# KiCad board robot-hub_rev4.1.kicad_pcb (continued)
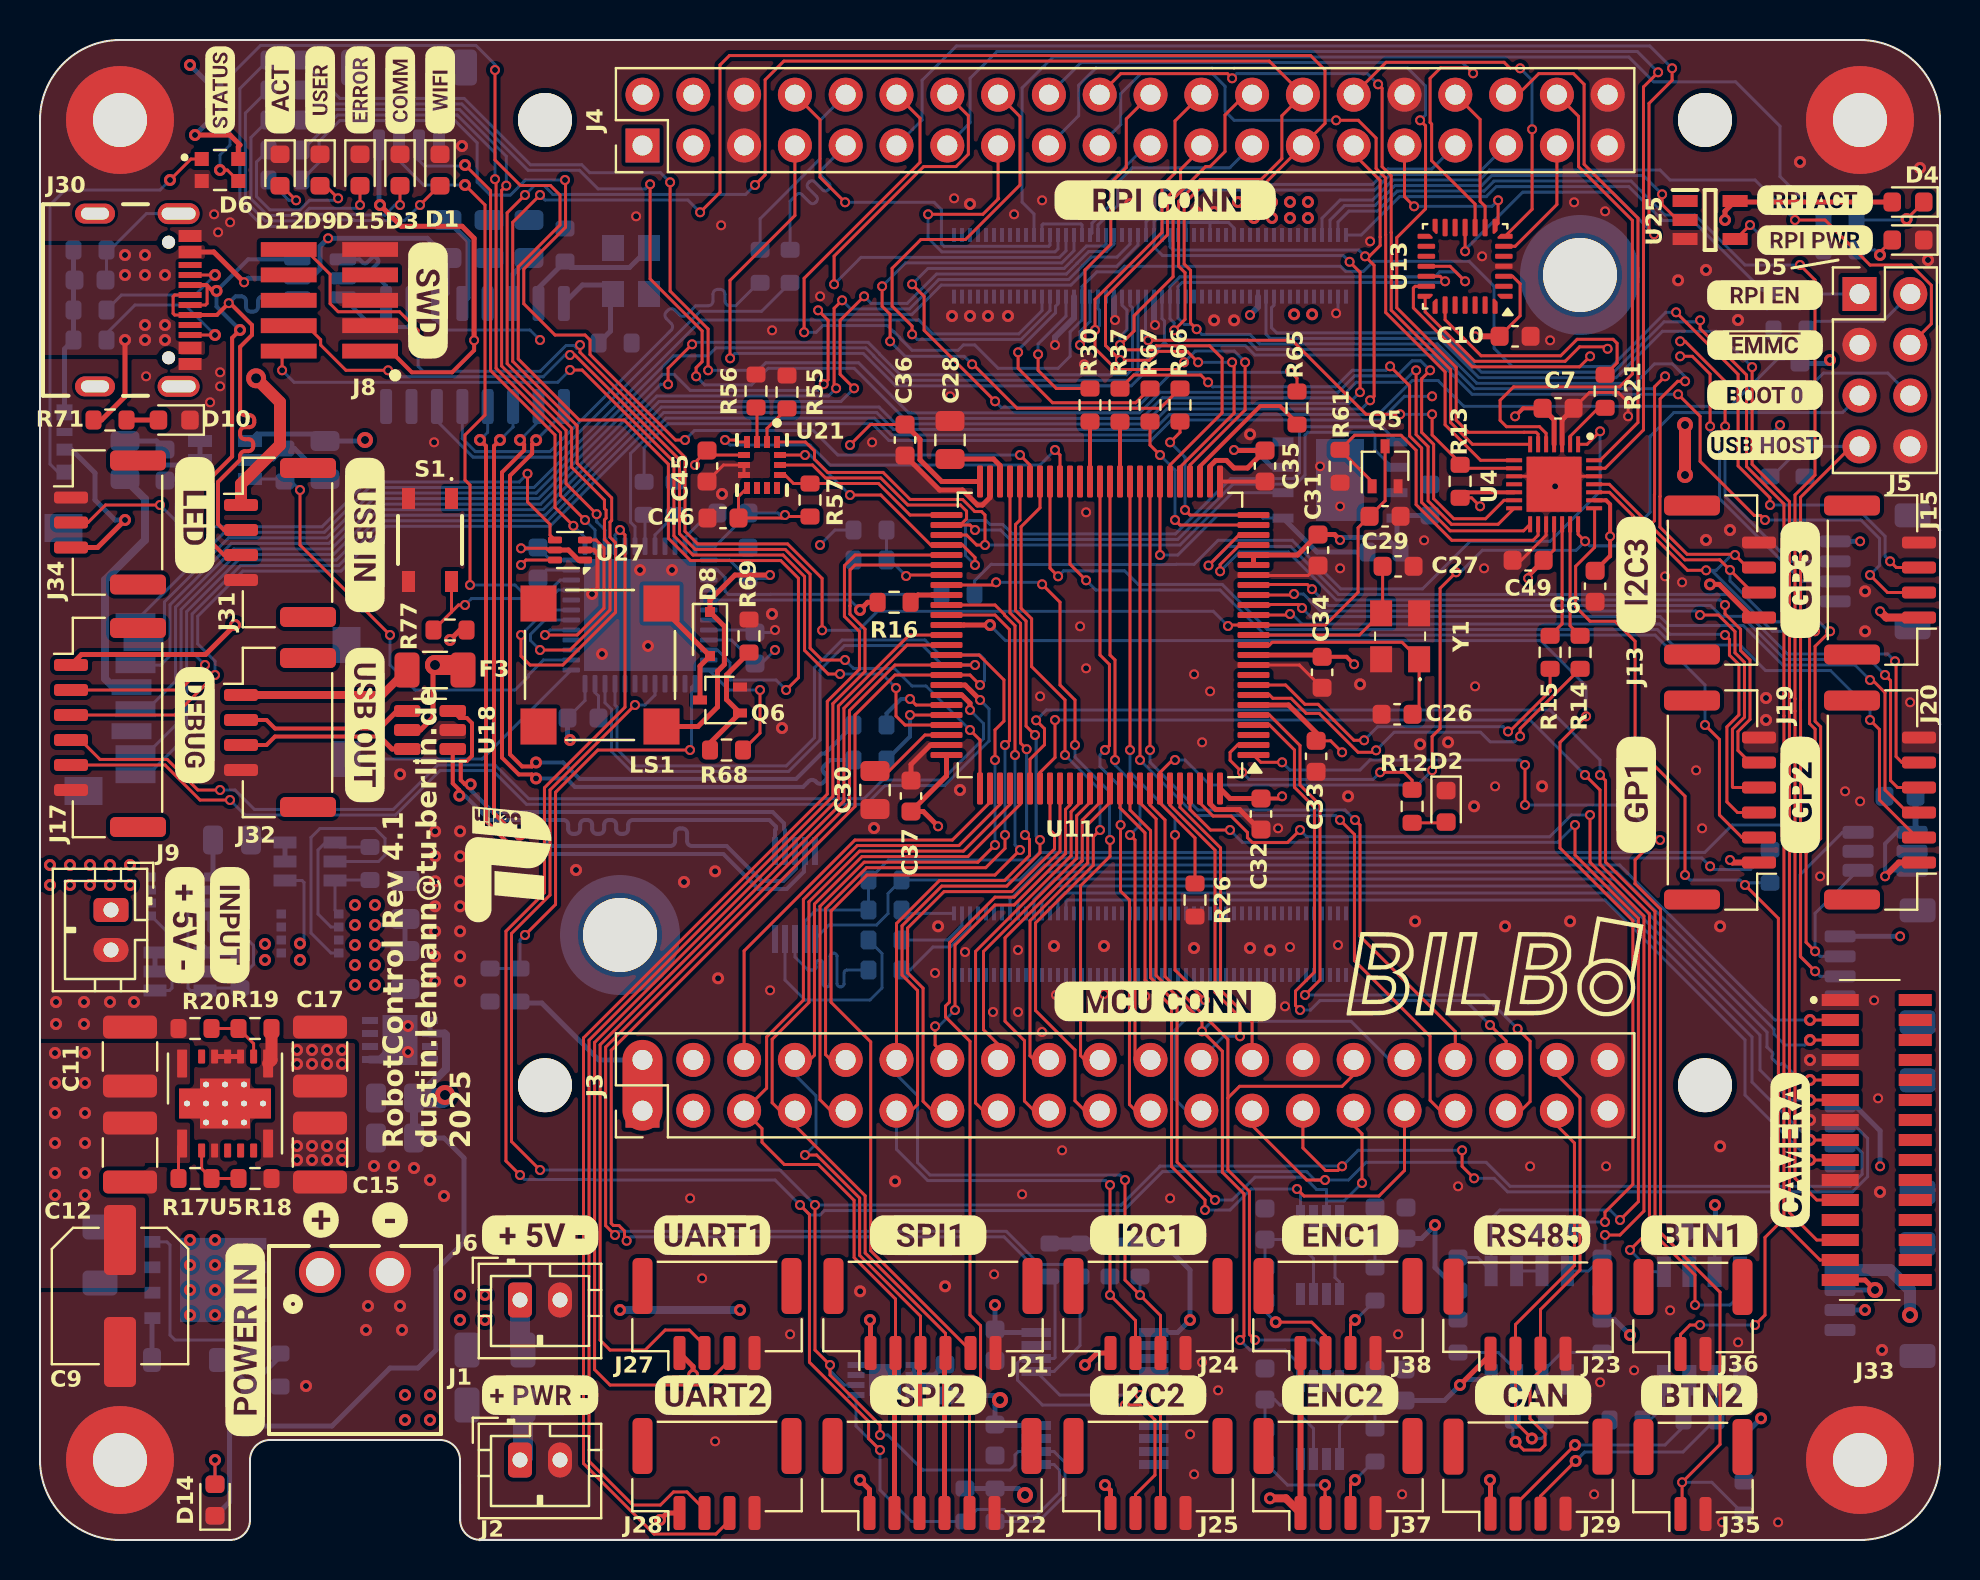
[diagram p0: board, top side]
## Routing (per net, layer and track width the routed paths; a pad name or vN(x,y) marks a point on that pad's centre or on a via; arc(x,y) is an arc through that point) (continued)
UC_I2C_INTERN_SDA: length 108.3
  Top w0.15: J25.3 56.03,6.23 v2(55,7.25) ; v2(28.75,15.25) 28.28,15.72 28.28,24.65 40.47,36.84 40.47,41.47 42.75,43.75 U11.66 v2(46.75,43.75)
  Bottom w0.15: v2(55,7.25) 50.99,7.25 U7.5 50.7,8.42 52,9.73 R31.2 51.4,13.78 49.97,13.78 48.32,15.43 28.93,15.43 v2(28.75,15.25) ; U1.22 28.25,41.86 28.58,41.53 28.58,39.42 29.57,38.43 37.43,38.43 39,40 39,43.5 40.22,44.72 44.14,44.72 45.11,43.75 v2(46.75,43.75)
UC_LED1: length 55.4
  Top w0.15: v2(26.25,68) 26.28,67.97 26.28,65.64 24.19,63.55 24.19,61.81 25.75,60.25 27.25,60.25 27.5,60 27.5,59.28 31.78,55 v2(32.25,55) ; U11.45 49.5,53.75 v2(49,54.25)
  Bottom w0.15: v2(26.25,68) 24.27,68 23.51,67.24 23.01,67.24 23,67.25 22.5,67.25 21.86,67.89 21.86,69.86 20.75,70.97 14.99,70.97 13.95,69.93 13.95,68.88 R72.1 ; v2(32.25,55) 32.72,55.48 38.67,55.48 39.89,54.25 v2(49,54.25)
UC_LED2: length 12
  Top w0.15: U11.2 59.88,39.75 59.5,39.38 59.5,38.98 v2(60.1,38.39) ; R12.1 68.6,37.98 68.2,38.39 v2(67,38.39)
  Bottom w0.15: v2(67,38.39) 66.65,38.03 60.46,38.03 v2(60.1,38.39)
UC_PWM1: length 29.5
  Top w0.15: v2(63,26.5) 62.78,26.73 62.78,27.45 63.72,28.39 63.72,36.64 62.72,37.64 62.72,39.5 61.47,40.75 U11.4 ; 73.31,23.27 73.31,24.95 v2(72.5,25.75)
  Bottom w0.15: v2(72.5,25.75) 71.28,26.97 64,26.97 63.53,26.5 v2(63,26.5)
UC_PWM2: length 33.1
  Top w0.15: 73.31,20.73 74.5,21.92 74.5,24.94 v2(73.88,25.56) ; U11.5 61.47,41.25 63,39.72 63,37.75 64,36.75 64,28 v2(63.25,27.25)
  Bottom w0.15: v2(63.25,27.25) 72.19,27.25 v2(73.88,25.56)
UC_PWM3: length 46
  Top w0.15: U11.23 59.95,50.25 v2(58.42,48.73) ; v2(92.75,43.94) 92.8,43.88 92.8,39.17 93.1,38.88 J20.5
  Bottom w0.15: v2(92.75,43.94) 92.38,44.3 87.37,44.3 84.39,47.28 64.93,47.28 62.53,49.68 59.37,49.68 v2(58.42,48.73)
UC_PWM4: length 37.4
  Top w0.15: v2(84.25,46.75) 84.25,46.31 85.03,45.54 85.03,44.47 85.5,44 85.5,41.03 84.9,40.42 84.9,39.48 85.5,38.88 ; v2(59,48.44) 59,48.77 59.98,49.75
  Bottom w0.15: v2(84.25,46.75) 84,47 64.81,47 62.41,49.4 59.97,49.4 v2(59,48.44)
UC_SCL_2: length 60.8
  Top w0.15: v2(53.5,17.75) v2(53.5,12.25) 54.78,10.98 J24.2 ; 42.82,20.73 43.88,21.78 43.88,27.48 43.1,28.25 43.1,30.71 45.09,32.7 48.34,32.7 50,34.36 v2(50,35) ; v2(49.75,40.25) 49.3,40.7 49.3,45.95 48.78,46.47 48.78,50.78 49,51 U11.46
  Bottom w0.15: v2(50,35) 49.81,35.19 49.81,40.19 v2(49.75,40.25) ; 42.82,20.73 42.82,19.53 44.39,17.97 53.28,17.97 v2(53.5,17.75) ; v2(53.5,12.25) R29.2
UC_SDA_2: length 60.7
  Top w0.15: 42.82,23.27 42.82,30.83 44.97,32.97 48.22,32.97 49.47,34.23 49.47,35.03 v2(49.25,35.25) ; J24.3 56.03,11.23 v2(55,12.25) 54.25,13 v2(54.25,18) ; v2(49.33,39.54) 49.03,39.85 49.03,45.83 48.5,46.36 U11.47
  Bottom w0.15: v2(55,12.25) R27.2 ; 42.82,23.27 43.88,22.21 43.88,18.87 44.5,18.25 54,18.25 v2(54.25,18) ; v2(49.25,35.25) 49.33,35.33 v2(49.33,39.54)
UC_SPI1_CS_EXT1: length 40.1
  Top w0.15: U11.84 51,35.5 51,35.5 51,34.44 48.71,32.14 47.75,32.14 45.47,29.86 45.47,26.89 45.28,26.7 45.28,26.16 46.5,24.93 46.5,11.25 47.03,10.72 47.03,8.03 46.47,7.48 J22.5
UC_SPI1_MISO: length 31.8
  Top w0.15: U21.1 38.27,54.9 38.72,54.45 38.72,54.04 39.39,53.38 42.15,53.38 43.51,52.03 46.13,52.03 46.74,51.42 47.08,51.42 47.25,51.25 v2(47.25,49.75) 46.83,49.75 46.33,50.25 U11.53
  Bottom w0.15: v2(47.25,49.75) 57,49.75 59.62,52.37 U10.2
UC_SPI1_MOSI: length 39.4
  Top w0.15: U11.54 46.12,49.75 46.75,49.12 v2(46.75,48.75) ; 44.63,49.75 44.54,49.75 42.04,52.25 v2(40.5,52.25) ; v2(38.25,54.25) U21.14
  Bottom w0.15: v2(38.25,54.25) 38.5,54.25 v2(40.5,52.25) ; U10.5 67.09,55.66 63.27,55.66 62.97,55.36 62.97,53.36 62.68,53.07 59.54,53.07 56.77,50.3 48.61,50.3 48.14,50.78 47.5,50.78 47.3,50.98 46.47,50.98 46.28,50.78 46.28,49.23 v2(46.75,48.75)
UC_SPI1_SCLK: length 38.2
  Top w0.15: U21.13 38.62,53.75 39.27,53.1 42.04,53.1 43.39,51.75 46.02,51.75 46.33,51.44 46.33,51.06 46.02,50.75 ; v2(46.75,50.5) 46.5,50.75 U11.52
  Bottom w0.15: v2(46.75,50.5) 48.03,50.5 48.5,50.03 56.89,50.03 59.65,52.79 62.79,52.79 63.25,53.25 63.25,55.25 63.38,55.39 66.62,55.39 66.75,55.25 66.75,54.5 67.62,53.64
UC_SPI2_CS_EXT1: length 50.8
  Top w0.15: U11.60 47.75,46.75 48.22,46.28 48.22,46.24 48.75,45.72 v2(48.75,39.25) ; v2(49,34.5) 47.75,33.25 41.35,33.25 39.55,31.45 39.55,26.89 41.54,24.9 41.54,14.46 46.53,9.48
  Bottom w0.15: v2(48.75,39.25) 48.75,34.75 v2(49,34.5)
UC_SPI2_MISO: length 47.7
  Top w0.15: J21.4 45.28,10.33 41.26,14.35 41.26,17.21 36.61,21.86 36.61,25.04 38.45,26.88 38.45,31.91 40.98,34.45 46.17,34.45 48.5,36.78 U11.79
  Top w0.25: 45.22,9.23 J22.4
UC_SPI2_MOSI: length 47
  Top w0.15: U11.80 49,36.78 46.39,34.17 41.09,34.17 38.72,31.8 38.72,24.24 37.75,23.27 ; J21.3 44.03,11.19 40.98,14.23 40.98,17.1 38.83,19.25 v2(38.25,19.25)
  Top w0.25: 43.97,8.98 J22.3
  Bottom w0.15: 37.75,23.27 38.8,22.21 38.8,19.8 v2(38.25,19.25)
UC_SPI2_SCLK: length 48.6
  Top w0.15: U11.78 48,36.78 45.95,34.72 40.86,34.72 38.17,32.03 38.17,26.99 36.33,25.15 36.33,22.59 J3.5 36.1,20.57 36.1,19.89 37.22,18.78 38.91,18.78 40.7,16.98 40.7,14.12 42.78,12.05 J21.2
  Top w0.25: J22.2 42.72,9.3
UC_SPI_CM4_CS: length 7.2
  Top w0.2: U11.28 58,53.69 61.01,56.7 62,56.7 62.85,55.85
UC_TIM1: length 17
  Top w0.15: 56.5,36.78 U11.95 56.5,36.74 58.75,34.49 58.75,27.39 60,26.14 v2(60,25.19)
  Bottom w0.15: 58.06,24.06 59.19,25.19 v2(60,25.19)
UC_TIM2: length 15.8
  Top w0.15: U11.96 57,36.63 59.03,34.61 59.03,27.5 60.6,25.92 60.6,23.27
UC_UART_CM4_RX: length 8.5
  Top w0.15: v2(56.5,54.89) 57,55.38 R66.2 ; U11.25 57.5,51.25 v2(57.25,51.5)
  Bottom w0.15: v2(56.5,54.89) 57.25,54.14 v2(57.25,51.5)
UC_UART_CM4_TX: length 9.5
  Top w0.15: v2(56,54.25) 55.5,54.75 R67.2 ; U11.24 57,50.75 v2(56.75,51)
  Bottom w0.15: v2(56.75,51) 56.75,53.5 v2(56,54.25)
UC_UART_EXT1_RX: length 52.8
  Top w0.15: 2.03,40 3,39.03 6.36,39.03 7.89,37.5 v2(9,37.5)
  Top w0.25: v2(46.5,41.5) 46.5,41.84 46.09,42.25 U11.69
  Bottom w0.15: v2(46.5,41.5) 47.17,40.83 47.17,40.07 45.11,38 42.14,38 41.2,37.06 24.44,37.06 22.75,38.75 19.89,38.75 17.66,36.53 10.72,36.53 9.75,37.5 v2(9,37.5)
UC_UART_EXT1_TX: length 54.1
  Top w0.15: v2(9.5,37) 8,37 6.25,38.75 J17.5
  Top w0.25: U11.68 46.25,42.75 v2(47,42)
  Bottom w0.15: v2(47,42) 47.45,41.55 47.45,39.95 45.22,37.72 42.25,37.72 41.31,36.78 24.32,36.78 22.64,38.47 20,38.47 17.78,36.25 10.25,36.25 v2(9.5,37)
UC_UART_EXT2_RX: length 49.2
  Top w0.15: 33.22,9.74 32.46,10.5 31.26,10.5 30.26,9.5 28.5,9.5 28.01,9.99 28.01,24.76 40.2,36.95 40.2,41.59 43.36,44.75 U11.64
UC_UART_EXT2_TX: length 52.7
  Top w0.15: 34.47,8.98 33.25,7.75 28.5,7.75 27.73,8.52 27.73,24.88 39.92,37.07 39.92,41.7 43.47,45.25 U11.63
UC_UART_EXT3_RX: length 15.7
  Top w0.15: 53.5,36.88 52.39,35.77 52.39,33.85 49.5,30.97 49.5,24.21 50.44,23.27
UC_UART_EXT3_TX: length 20.4
  Top w0.15: 47.5,36.88 45.62,35 40.75,35 35.2,29.45 35.2,24.45
UC_USB_D_N: length 37.2
  Top w0.2: v1(24.81,54.99) 24.61,54.79 24.61,54.32 23.5,53.22 23.5,39.28 24.11,38.68 24.6,38.68 v1(24.8,38.88)
  Bottom w0.15: 26.19,56.38 v1(24.81,54.99)
  Bottom w0.2: R35.2 39.25,39.33 39.07,39.33 37.8,38.05 26.98,38.05 26.16,38.88 v1(24.8,38.88)
UC_USB_D_P: length 37.2
  Top w0.2: v1(24.8,38.08) 24.6,38.28 23.94,38.28 23.1,39.12 23.1,53.38 24.21,54.49 24.21,54.79 v1(24,55)
  Bottom w0.15: 24.92,55.92 v1(24,55)
  Bottom w0.2: v1(24.8,38.08) 26.32,38.08 26.75,37.65 38.15,37.65 38.44,37.94 arc(38.61,38.01) 38.78,37.94 38.83,37.88 arc(39,37.81) 39.17,37.88 39.26,37.96 arc(39.33,38.13) 39.26,38.3 39.2,38.36 arc(39.13,38.53) 39.2,38.7 39.5,39 R36.2
USB_CM4_DEVICE_N: length 39.1
  Top w0.2: v1(23.99,35.27) 23.77,35.27 22.7,36.34 22.7,54.7 v1(23,55)
  Bottom w0.15: U15.3 23.66,55.66 v1(23,55)
  Bottom w0.2: v1(23.99,35.27) 25.01,35.27 25.58,34.7 31.52,34.7 arc(31.69,34.77) 31.76,34.94 31.76,35.34 arc(31.83,35.51) 32,35.58 32.12,35.58 arc(32.29,35.51) 32.36,35.34 32.36,34.94 arc(32.43,34.77) 32.6,34.7 34.33,34.7 36.08,32.95 37.17,32.95 37.8,33.58 37.8,33.85
USB_CM4_DEVICE_P: length 39.1
  Top w0.2: v1(22,55) 22.3,54.7 22.3,35.95 23.75,34.5 v1(24.22,34.5)
  Bottom w0.15: v1(22,55) 22.38,55.39 U15.4
  Bottom w0.2: v1(24.22,34.5) 25.22,34.5 25.42,34.3 34.17,34.3 35.92,32.55 37.33,32.55 38.2,33.42 38.2,33.85
USB_EXT_N: length 23.1
  Top w0.2: U18.1 20.64,37.83 20.97,37.5 v1(20.97,37.22)
  Bottom w0.2: U19.6 36.75,35.5 36.8,35.55 36.8,35.67 36.47,36 29.65,36 arc(29.48,35.93) 29.41,35.76 29.41,35.55 arc(29.34,35.38) 29.17,35.31 29.05,35.31 arc(28.88,35.38) 28.81,35.55 28.81,35.76 arc(28.74,35.93) 28.57,36 28.45,36 arc(28.28,35.93) 28.21,35.76 28.21,35.55 arc(28.14,35.38) 27.97,35.31 27.85,35.31 arc(27.68,35.38) 27.61,35.55 27.61,35.76 arc(27.54,35.93) 27.37,36 27.25,36 arc(27.08,35.93) 27.01,35.76 27.01,35.55 arc(26.94,35.38) 26.77,35.31 26.65,35.31 arc(26.48,35.38) 26.41,35.55 26.41,35.76 arc(26.34,35.93) 26.17,36 22.47,36 21.25,37.22 v1(20.97,37.22)
USB_EXT_OUT_N: length 8.7
  Top w0.2: 17,40.17 11.75,40.17 11.33,39.75 J32.3
  Top w0.25: 17,40.15 17.6,39.55 U18.6
USB_EXT_OUT_P: length 8.3
  Top w0.2: 17,40.58 11.75,40.58 11.33,41 J32.2
  Top w0.25: 17.85,41.45 17,40.6
USB_EXT_P: length 23.1
  Top w0.2: v1(21.53,37.78) 21.25,37.78 21.04,38 21.04,38.95 21.34,38.95 21.6,39.21 21.6,40.84 21.34,41.1 20.99,41.1 U18.3
  Bottom w0.2: v1(21.53,37.78) 21.53,37.5 22.63,36.4 36.63,36.4 37.2,35.83 37.2,35.55 37.25,35.5 U19.7
USB_HEADER_N: length 9.5
  Bottom w0.15: R38.2 36,66.06 39,69.06 39,70.98 J4.10
USB_HEADER_P: length 9.5
  Bottom w0.15: R39.2 37.5,66.94 37.84,67.28 arc(37.96,67.33) 38.09,67.28 38.51,66.86 arc(38.63,66.81) 38.76,66.86 38.82,66.93 arc(38.88,67.05) 38.82,67.18 38.41,67.6 arc(38.36,67.72) 38.41,67.85 38.47,67.91 arc(38.6,67.97) 38.73,67.91 39.14,67.5 arc(39.27,67.45) 39.4,67.5 39.46,67.56 arc(39.51,67.69) 39.46,67.82 39.05,68.23 arc(38.99,68.36) 39.05,68.49 J4.9
USB_IN1_N: length 24.2
  Top w0.15: J30.B7 8.28,62.75 8.35,62.67 8.35,61.83 8.28,61.75 J30.A7
  Top w0.2: J30.B7 8.33,62.75 8.63,62.45 v1(8.83,62.45) ; v1(10,60.5) 9.6,60.11 9.6,54.17 8.5,53.07 8.5,49.95 9.2,49.25 J31.3
  Bottom w0.2: U16.6 10.41,64.03 v1(8.83,62.45) 8.83,61.67 v1(10,60.5)
USB_IN1_P: length 24.9
  Top w0.15: J30.A6 6.73,62.25 6.66,62.17 6.66,61.33 6.73,61.25 J30.B6
  Top w0.2: J30.B6 8.84,61.25 v2(9.44,61.84) 9.51,61.84 10.6,60.75 10.6,60.25 10,59.66 10,56.48 arc(10.08,56.31) 10.24,56.24 10.47,56.24 arc(10.64,56.17) 10.71,56 10.71,55.88 arc(10.64,55.71) 10.47,55.64 10.24,55.64 arc(10.08,55.57) 10,55.4 10,55.28 arc(10.08,55.11) 10.24,55.04 10.42,55.04 arc(10.59,54.97) 10.66,54.8 10.66,54.68 arc(10.59,54.51) 10.42,54.44 10.24,54.44 arc(10.08,54.37) 10,54.2 10,54.01 8.9,52.9 8.9,50.8 9.2,50.5 J31.2
  Bottom w0.2: v2(9.44,61.84) 9.78,62.19 10.06,62.19 arc(10.23,62.11) 10.3,61.95 10.3,61.66 arc(10.37,61.49) 10.54,61.42 10.66,61.42 arc(10.83,61.49) 10.9,61.66 10.9,61.95 arc(10.97,62.11) 11.14,62.19 12.82,62.19
USB_N: length 5.1
  Bottom w0.2: U15.9 17.3,62.7 16.92,63.08 arc(16.82,63.13) 16.71,63.08 arc(16.61,63.04) 16.5,63.08 16.42,63.16 arc(16.38,63.27) 16.42,63.37 16.88,63.83 arc(16.92,63.94) 16.88,64.06 16.82,64.11 arc(16.71,64.16) 16.59,64.11 16.36,63.87 arc(16.24,63.83) 16.13,63.87 15.97,64.03 U16.1
USB_P: length 5.1
  Bottom w0.2: U16.3 16.63,60.65 18.37,60.65 18.57,60.86 U15.10
USB_SHIELD: length 5.6
  Bottom w0.15: 3.5,64.5 5.32,66.32 6.93,66.32 ; R50.1 3.32,63.05
USER_BTN_EXT: length 63.8
  Top w0.15: v2(74.25,36.75) v2(74.25,38.75) ; U11.1 61.04,38.89 v2(62.1,38.89) ; 82.1,1.85 v2(82.1,2.89) 84,4.78 84,12.39 81.03,15.36 81.03,31.54 79.75,32.82 79.75,32.82 79.75,34 80.75,35 v2(81,35)
  Bottom w0.15: v2(62.1,38.89) 62.49,38.5 66,38.5 66.5,39 74,39 v2(74.25,38.75) ; R76.2 83.59,2.89 v2(82.1,2.89) ; v2(74.25,36.75) 79.25,36.75 v2(81,35)
USER_BTN_EXT2: length 54.3
  Top w0.15: v2(85.75,10.75) 86.25,11.25 86.25,15.13 86.92,15.8 86.92,31.08 v2(85.25,32.75) ; J36.1 82.03,10.28 82.5,10.75 v2(83,10.75) ; v2(82.25,33.25) 82.25,37.19 79.75,39.69 79.75,44.94 78.75,45.94 77.5,45.94 76.78,46.66 76.78,48.69 77.73,49.63 77.73,51.56
  Bottom w0.15: R34.2 85.36,32.86 v2(85.25,32.75) 85,33 82.5,33 v2(82.25,33.25) ; v2(83,10.75) v2(85.75,10.75)
USER_BTN_OB: length 9.2
  Top w0.15: 20.57,46.4 S1.2 ; 20.57,46.4 20.92,46.75 v2(21.25,46.75) ; 20.57,46.4 R77.2
  Bottom w0.15: v2(21.25,46.75) 21.57,47.07 25.48,47.07 25.91,47.5 U1.33
V_PWR: length 60.5
  Top w0.15: R17.1 6.92,19.64 U5.1
  Top w2: J3.2 J3.1
  POWER w1.5: 21,6.5 26.75,6.5 31.5,11.25 31.5,14.41 30.25,15.66 30.25,21.34 J3.1 ; 18.75,6.5 v1(19.5,7.25) 19.5,15.75 18.25,17 4,17
  Bottom w0.25: 24,26.85 25.09,26.85 27.94,24 J3.2
  vias: v1(0.75,24.35) v1(0.75,22.85) v1(0.75,21.35) v1(0.75,19.85) v1(0.75,18.35) v1(0.75,17.25) v1(2.25,24.35) v1(2.25,22.85) v1(2.25,21.35) v1(2.25,19.85) v1(2.25,18.35) v1(2.25,17.25) v1(18.25,7.25) v1(18.25,6) v1(19.5,6)
Net-(D1-A): length 19.1
  Top w0.15: 19.96,67.71 v2(19,66.75)
  Bottom w0.15: R3.2 9.99,72.57 9.99,66.83 11.15,65.68 13.35,65.68 13.67,66.01 15.68,66.01 15.72,65.97 18.22,65.97 v2(19,66.75)
Net-(D2-A): length 1.7
  Top w0.15: R12.2 70.27,35.86
Net-(D3-A): length 15.5
  Top w0.15: D3.2 v2(18,66.75)
  Bottom w0.15: R58.2 10.27,71.34 10.27,66.95 11.26,65.96 13.23,65.96 13.56,66.28 15.79,66.28 15.83,66.25 17.25,66.25 17.75,66.75 v2(18,66.75)
Net-(D4-K): length 3.7
  Top w0.15: v1(93.33,66.05) 93.33,66.05 D4.1
  Bottom w0.15: v1(93.33,66.05) 93.28,66 R62.1
Net-(D5-A): length 2.3
  Top w0.15: D5.2 92,64.39 v1(92,64.25)
  Bottom w0.15: R63.1 91.75,64.5 v1(92,64.25)
Net-(D6-DI): length 3.8
  Top w0.15: D6.3 9.36,68.5 v1(9,68.5)
  Bottom w0.15: v1(9,68.5) 9,69.25 9.5,69.75 U26.4
Net-(D8-A): length 5.8
  Top w0.25: 31.07,46.62 D8.2 33,43.7 Q6.3
Net-(D9-A): length 8.1
  Top w0.15: 14.28,67.71 v2(14.91,67.09)
  Bottom w0.15: v2(14.91,67.09) 14.8,66.98 13.48,66.98 13,66.51 11.49,66.51 10.82,67.18 10.82,68.9 R70.2
Net-(D10-A): length 1.6
  Top w0.25: D10.2 R71.2
Net-(D11-DIN): length 22.1
  Top w0.15: D6.1 7.55,69.05 v1(6.5,68)
  Bottom w0.15: v1(6.5,68) 6,67.5 1.25,67.5 0.5,66.75 0.5,53.8 0.9,53.39
Net-(D12-A): length 2.8
  Top w0.15: 12.08,67.71 v2(12.8,66.98)
  Bottom w0.15: R72.2 12.44,66.98 v2(12.8,66.98)
Net-(D14-A): length 2.4
  Top w0.15: v1(8.75,4) D14.2
  Bottom w0.15: R74.2 v1(8.75,4)
Net-(D15-A): length 11.3
  Top w0.15: D15.2 v2(16,66.75)
  Bottom w0.15: R75.2 10.55,70.12 10.55,67.06 11.38,66.23 13.12,66.23 13.47,66.59 15.83,66.59 v2(16,66.75)
Net-(D16-A): length 4
  Bottom w0.25: 9.17,9 R1.2 12,9.17
Net-(D16-K): length 2.1
  Bottom w0.25: D16.1 5.6,11.08
Net-(J2-Pin_1): length 2.8
  Bottom w1: F4.2 24.15,4.15 J2.1
Net-(J5-Pin_6): length 6.5
  Bottom w0.15: R47.2 89.17,58.34 92.39,58.34 J5.6
Net-(J6-Pin_1): length 2.6
  Bottom w1: J6.1 24,9.65 F2.2
Net-(J32-Pin_1): length 8.8
  Top w0.4: F3.2 17.1,42.25 J32.1
Net-(J34-Pin_2): length 28.6
  Top w0.15: v2(24.38,53.31) 24.38,51.91 25.5,50.78 25.5,50.25 U27.4 ; J34.2 2.4,50.88 3.27,51.75 v2(6,51.75)
  Bottom w0.15: v2(6,51.75) 7.09,50.66 14.1,50.66 16.34,52.9 23.96,52.9 v2(24.38,53.31)
Net-(J37-Pin_2): length 4.9
  Top w0.15: v1(64.25,2.75) 64.25,2.22 64.28,2.2 J37.2
  Bottom w0.15: v1(64.25,2.75) 62.38,2.75 R84.2
Net-(J37-Pin_3): length 3.1
  Top w0.15: v1(65.75,3) 65.53,2.78 J37.3
  Bottom w0.15: 66.67,3.92 v1(65.75,3)
Net-(J38-Pin_2): length 4.9
  Top w0.15: v1(61.79,10.89) 63.58,10.89 64.28,10.2 J38.2
  Bottom w0.15: v1(61.79,10.89) 61.25,11.43 R85.2
Net-(J38-Pin_3): length 3.1
  Top w0.15: J38.3 65.53,10.78 v1(65.75,11)
  Bottom w0.15: R83.2 65.78,11 v1(65.75,11)
Net-(Module1A-Global_EN): length 24.5
  Bottom w0.15: R64.1 86.11,62.5 82.64,65.97 81.14,65.97 79.44,67.67 72.82,67.67 72.32,67.17 67.98,67.17 66.06,65.25 Module1.99
Net-(Module1A-PI_nLED_Activity): length 53.2
  Bottom w0.15: R62.2 87,68.18 87,70.69 84.78,72.91 80.68,72.91 79.44,74.15 50.65,74.15 49.1,72.61 49.1,66.9 49.7,66.3 Module1.21
Net-(Module1B-USB2_N): length 3.9
  Bottom w0.15: Module1.103 46.1,30.73 45.37,30 R59.1
Net-(Module1B-USB2_P): length 5
  Bottom w0.15: R60.1 43.5,28.5 44.65,29.65 45.51,29.65 46.5,30.64 Module1.105
Net-(Module1B-USB_OTG_ID): length 2.5
  Bottom w0.15: Module1.101 43.25,31.33
Net-(Q1-G): length 9.8
  Bottom w0.15: R1.1 9.82,10 6.75,10 6.5,10.25 6.5,14.75 6.34,14.91 Q1.4
Net-(Q2-G1): length 5.3
  Bottom w0.15: R5.2 8.38,29.25 ; Q2.2 8.05,32.5 7.93,32.38 7.93,30 8.25,29.67 U2.4
Net-(Q2-G2): length 6.8
  Bottom w0.15: Q2.4 8.44,30.49 9,29.92 10.48,29.92 10.68,29.73 10.68,28.77 10.33,28.42 U2.5
Net-(Q3-G1): length 6.6
  Bottom w0.15: R6.2 14.97,34.65 ; Q3.2 14.55,30.65 13.9,31.3 13.9,34.5 14.27,34.88
Net-(Q3-G2): length 14.1
  Bottom w0.15: Q3.4 14.55,29.35 13.55,30.35 13.55,35.12 14,35.58 16.75,35.58 17.25,35.08 17.25,34.25 16.93,33.92 U3.5
Net-(Q6-B): length 5.9
  Top w0.25: 33.5,39.85 Q6.1 34.32,42.03 34.32,43.25 R69.1
Net-(U1-PB7): length 1.5
  Bottom w0.15: U1.43 30.25,51.22
Net-(U1-PC13): length 12.6
  Bottom w0.15: U1.2 33.87,48.5 34.25,48.12 34.25,47.44 34.41,47.28 36.5,47.28 36.51,47.28 R28.1
Net-(U1-PH0): length 8.8
  Top w0.25: v1(41,46.5) 41.38,46.89 R16.2
  Bottom w0.15: U1.5 40.5,47 v1(41,46.5)
Net-(U1-PH3): length 2
  Bottom w0.15: R11.1 30.75,50.25 U1.44
Net-(U5-EN): length 3
  Top w0.15: U5.2 8.08,18.57 R17.2 R18.1
Net-(U5-FB): length 3.1
  Top w0.15: R20.1 R19.2 10.68,24.82 U5.9
Net-(U9-CT): length 1.7
  Bottom w0.25: U9.4 6.32,53.05
Net-(U11-PB2): length 3
  Top w0.2: R37.2 U11.36
Net-(U11-PC13): length 19.9
  Top w0.15: v2(74,40.19) 74,40.56 R14.2 ; v2(66.81,39.48) 66.7,39.39 65.91,39.39 63.96,41.33 63.31,41.33 62.55,42.09 61.64,42.09 61.47,42.25 U11.7
  Bottom w0.15: v2(66.81,39.48) 67.71,40.39 72.03,40.39 72.51,39.91 73.73,39.91 v2(74,40.19)
Net-(U11-PC14): length 18.3
  Top w0.15: v2(66.2,39.98) 65.7,39.98 64.7,40.98 64.7,40.98 63.91,41.78 63.24,41.78 62.28,42.75 U11.8 ; R15.2 75.5,42.45 73.48,40.43 v2(73.4,40.43)
  Bottom w0.15: v2(66.2,39.98) 66.88,40.66 73.16,40.66 v2(73.4,40.43)
Net-(U11-PE9): length 3
  Top w0.2: U11.39 R30.1
Net-(U11-PH0): length 11.1
  Top w0.15: U11.12 61.47,44.75 61.61,44.89 68.1,44.89 Y1.1 68.95,41.61
Net-(U11-PH1): length 9.1
  Top w0.15: U11.13 65.97,45.25 Y1.3 ; C27.1 67.13,46.41
Net-(U11-VCAP1): length 3.4
  Top w0.25: U11.48 48,53.72 47.67,54.05 C28.2
Net-(U11-VCAP2): length 4.3
  Top w0.15: U11.73 44.25,40.25 42.45,38.45 C30.2
Net-(U13-PB3): length 12.3
  Top w0.15: R21.1 78.85,58.86 78.85,59.84 78.66,60.03 76.85,60.03 76.03,59.21 72.06,59.21 70.25,61.01 U13.23
Net-(U15-VDD18): length 2.6
  Bottom w0.25: 24.45,64.1 23.66,63.31 U15.14
Net-(U15-VDD33): length 2.2
  Bottom w0.25: U15.13 22.38,64.03
Net-(U15-XIN): length 5.6
  Bottom w0.25: Y2.1 28.2,62.75 27.12,62.75 U15.16 ; 28.53,62.17 28.53,60.45 R52.2
Net-(U15-XOUT): length 7.4
  Bottom w0.25: U15.15 24.92,62.6 R51.1 26.55,63.62 29.47,63.62 Y2.3
Net-(U21-GND_1): length 2.1
  Top w0.15: U21.2 36.35,55.58 R55.1
Net-(U21-GND_2): length 1.7
  Top w0.15: U21.3 35.85,56.58
Net-(U25-OUT~{Y}): length 5.2
  Top w0.15: 84.8,65.05 v2(85.5,65.75)
  Bottom w0.15: R63.2 86.75,64.5 v2(85.5,65.75)
Net-(U28-1A): length 5.4
  Bottom w0.15: R82.1 C53.1 66.22,6.98 64.97,5.73 U28.1
Net-(U28-2A): length 6.1
  Bottom w0.15: U28.3 63.67,5.58 62.5,6.75 62,6.75 61.72,7.03 C55.1 R84.1
Net-(U29-1A): length 6
  Bottom w0.15: U29.1 64.97,12.9 64.75,13.12 64.75,14.5 65.32,15.08 C54.1 R83.1
Net-(U29-2A): length 6
  Bottom w0.15: U29.3 63.67,14.08 62.72,15.03 C56.1 R85.1
Net-(U30-Rs): length 2.7
  Bottom w0.15: R80.1 80.5,6 81.19,6.7 U30.8

## Copper pours and planes (outline as drawn; the poured copper is in the pictures)
3V3_CM4 on Bottom: 64,62.59 64,60.69 61.81,60.69 61.81,62.59
5V_EXT on Bottom: 8,33.92 8,30.42 13.5,30.42 13.5,33.92
5V_IN on Bottom: 1,30.17 6,30.17 6,32.17 1,32.17
5V_REG on Top, Bottom, POWER: 10.75,24.85 15.75,24.85 15.75,18.65 10.75,18.65
5V_REG on Bottom, POWER: 13.5,30.25 13.5,28.5 15.75,26.25 15.75,23.25 10.75,23.25 10.75,30.25
5V_USB on Top, POWER: 8.25,64.75 0,64.75 0,59.25 8.25,59.25
5V_USB on Bottom, POWER: 6,32.17 0,32.17 0,34.67 6,34.67
5V_USB on POWER: 0,34 0,59.25 6,59.25 6,55.5 3.75,53.25 3.75,34
+5V on Bottom: 17,25 17,26.75 17.25,27 15.75,27 15.75,25
+5V on Bottom, POWER: 14.5,32.5 14.5,28.25 15.75,27 17.25,27 17.25,32.5
+5V on Bottom, POWER: 20.5,8.25 22.75,8.25 22.75,13 20.5,13
+5V on Bottom, POWER: 64,64.75 59.3,64.75 59.3,67.25 64,67.25
GND on Top, Bottom, GND: -5,80 100,80 100,-5 -5,-5
GND on Bottom: 45.5,62.5 49.75,62.5 49.75,61 45.5,61
POWER_IN on Bottom, POWER: 15.5,15.5 15.5,10.5 6.75,10.5 6.75,15.5
V_PWR on Top, Bottom, POWER: 7.5,24.85 0,24.85 0,12.6 5.25,12.6 5.25,18.85 7.5,18.85
V_PWR on Bottom, POWER: 22.25,7.75 22.25,5.5 17.75,5.5 17.75,7.75
Net-(D16-K) on Bottom, POWER: 6.25,10.25 0,10.25 0,14.25 6.25,14.25

## Text on the board
B.Silkscreen: JLCJLCJLCJLC
F.Silkscreen: RobotControl Rev 4.1 / dustin.lehmann@tu-berlin.de / 2025
